# Altium PCB PCB1.PcbDoc (part 1 of 2) (continued)
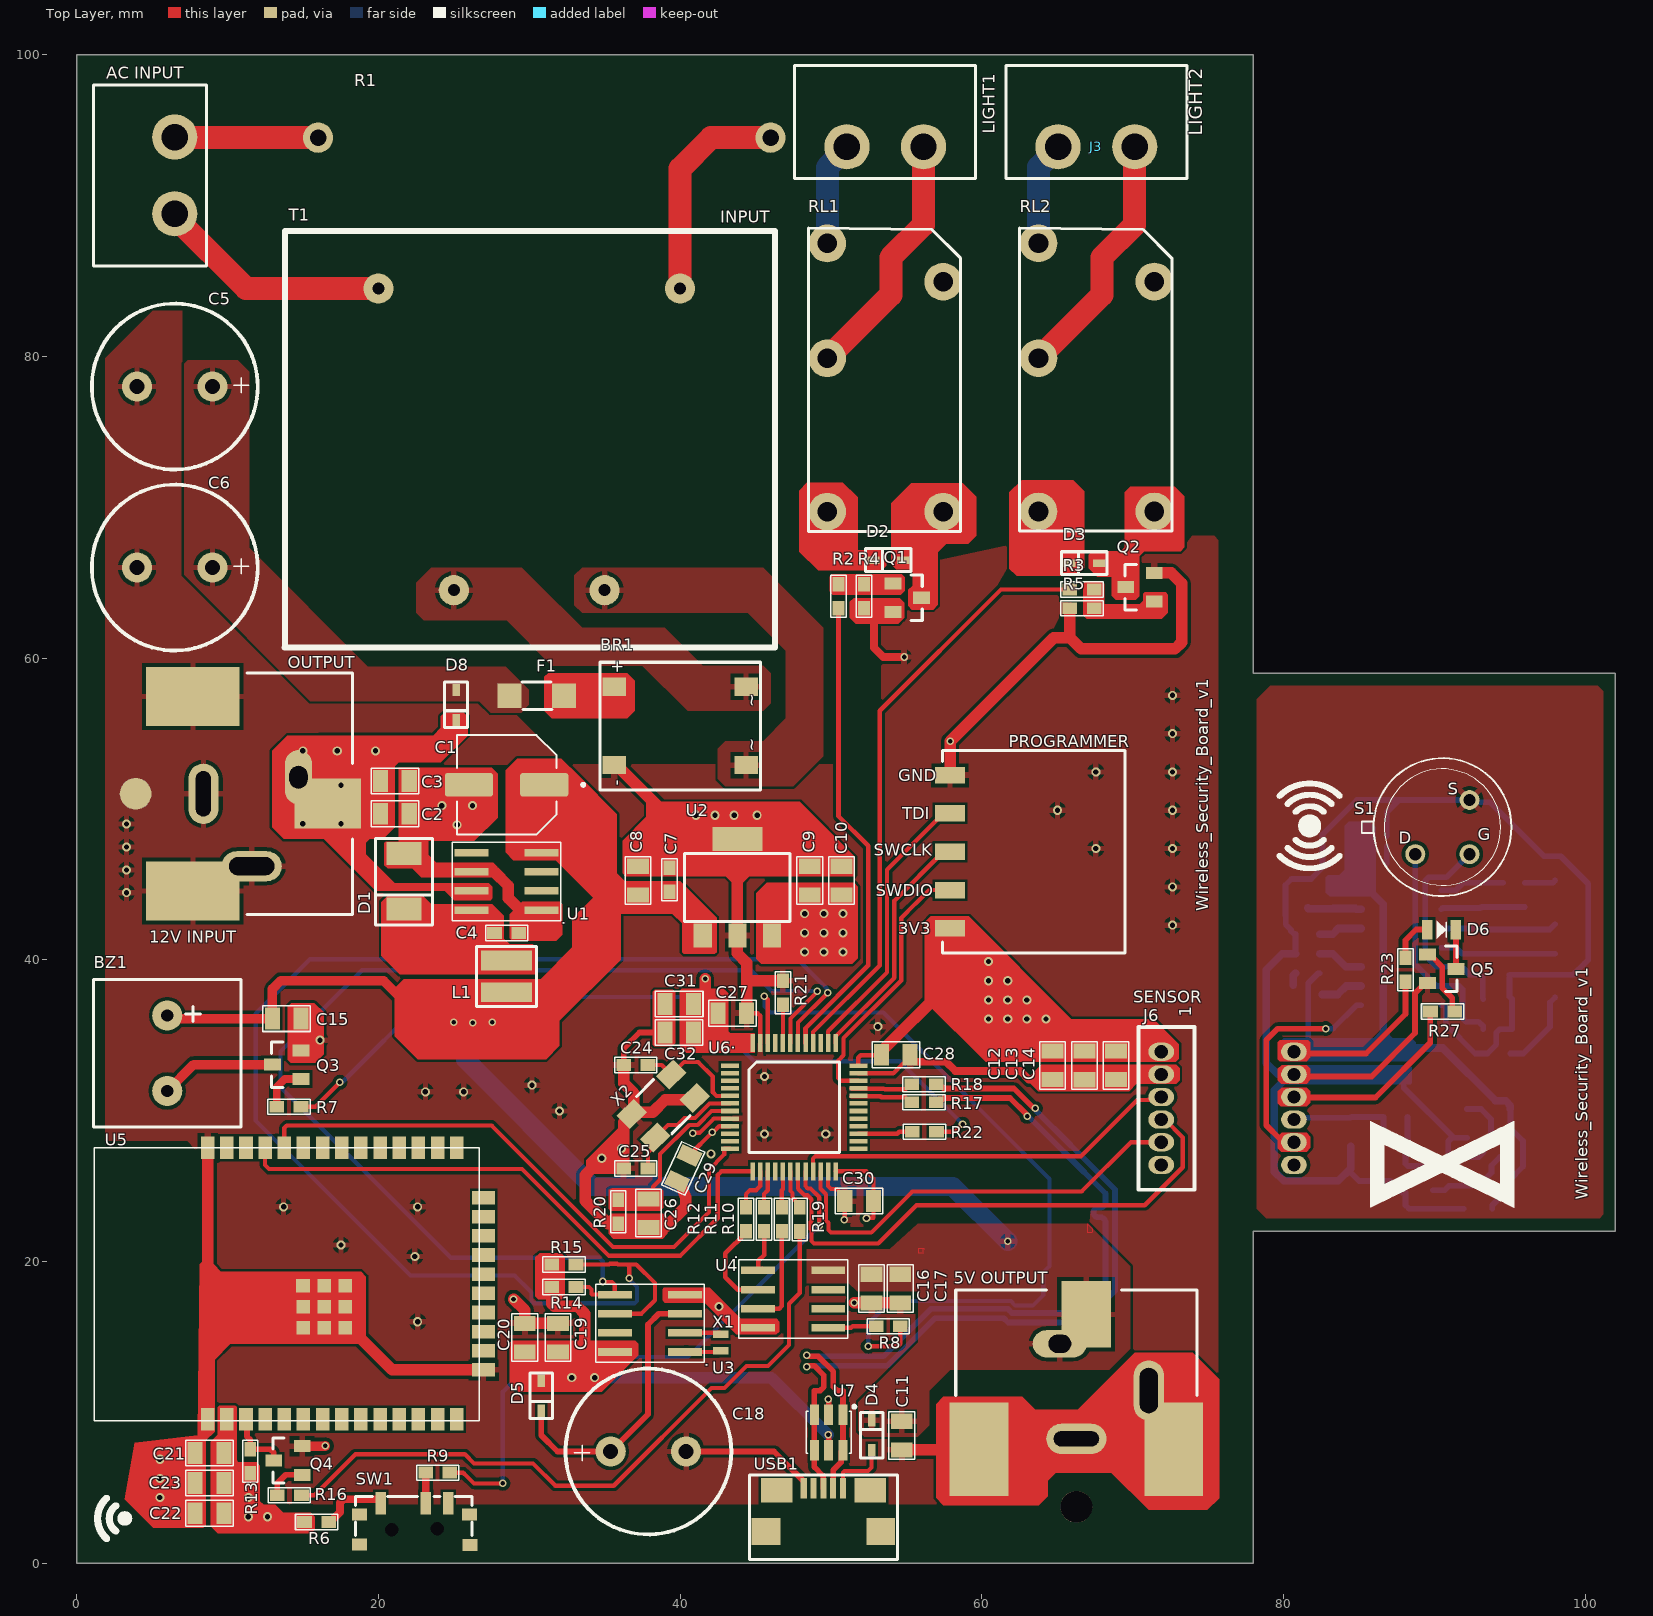
[diagram p0: Top Layer view]
## Classes and differential pairs
component class SensorBoard: C33 C34 C35 C36 C37 C38 C39 C40 C41 C42 C43 C44 C45 C46 C47 D6 D7 J8 Q5 R23 R24 R25 R26 R27 R28 R29 R30 R31 R32 R33 R34 R35 R36 R37 S1 TR1 U8 U9
component class "Power Managment": "5V OUTPUT" "12V INPUT" "AC INPUT" BR1 C1 C2 C3 C4 C5 C6 C7 C8 C9 C10 C11 C12 C13 C14 D1 D2 D3 D4 D8 F1 J3 L1 LIGHT1 Q1 Q2 R1 R2 R3 R4 R5 RL1 RL2 T1 U1 U2 USB1
component class Microcontroller: BZ1 C15 C16 C17 C18 C19 C20 C21 C23 C24 C25 C26 C27 C28 C29 C30 C31 C32 D5 J6 Programmer Q3 Q4 R6 R7 R8 R9 R10 R11 R12 R13 R14 R15 R16 R17 R18 R19 R20 R21 R22 SW1 U3 U4 U5 U6 U7 X1 X2
differential pair MCU: +MCU_P -MCU_N
differential pair USB: +USB_P -USB_N

## Components (designator, comment, footprint, x,y, rotation, side; value= is the part's Value field where it differs from the comment)
"5V OUTPUT" "PJ-037AH-SMT-TR" JACK#1 66.276,10.114 r90 top (schematic designator J5)
"12V INPUT" "PJ-037AH-SMT-TR" JACK#2 10.275,51 r0 top (schematic designator J4)
"AC INPUT" "TBP01R1-508-02BE" TBP01R1-508 6.5,92 r270 top (schematic designator J1)
BR1 "DB105S" DB-S 40.005,55.499 r90 top
BZ1 "CMI-9605IC-0580T" CMI-9605IC-0580T 6,33.8 r0 top
C1 "EEV686M035A9HAA" "EEV 6,3X7,7" 28.498,51.6 r180 top
C2 "CL21B104KBCNNNC" CAP_0805 21.092,49.682 r180 top
C3 "CL21B105KBFNNNE" CAP_0805 21.092,51.841 r180 top
C4 "0603B103K160CT" CAP_0603 28.498,41.77 r180 top
C5 "" CAP_RADIAL_D10_P5 6.5,78 r0 top
C6 "" CAP_RADIAL_D10_P5 6.5,66 r0 top
C7 "C0603C104K5RACTU" CAP_0603 39.3,45.3 r270 top value=100nF
C8 "CL21B105KBFNNNE" CAP_0805 37.2,45.25 r90 top
C9 "CL21A475KAQNNNE" CAP_0805 48.6,45.25 r90 top
C10 "CL21B105KBFNNNE" CAP_0805 50.7,45.25 r90 top
C11 "CL21A475KAQNNNE" CAP_0805 54.7,8.455 r90 top
C12 "CL21A475KAQNNNE" CAP_0805 64.7,33 r90 top
C13 "CL21A475KAQNNNE" CAP_0805 66.802,32.995 r90 top
C14 "CL21B105KBFNNNE" CAP_0805 68.9,33 r90 top
C15 "CL21B104KBCNNNC" CAP_0805 13.919,36.093 r180 top
C16 "CL21B104KBCNNNC" CAP_0805 52.7,18.2 r90 top
C17 "CL21B105KBFNNNE" CAP_0805 54.6,18.2 r90 top
C18 "CAP ALU ELEC 470uF 50V" CAP_RADIAL_D10_P5 37.9,7.4 r180 top
C19 "CL21B104KBCNNNC" CAP_0805 31.9,14.945 r270 top
C20 "CL21B105KBFNNNE" CAP_0805 29.7,14.945 r270 top
C21 "CL21B104KBCNNNC" CAP_0805 8.8,7.3 r0 top
C22 "CL21A475KAQNNNE" CAP_0805 8.8,3.302 r0 top
C23 "CL21B105KBFNNNE" CAP_0805 8.8,5.3 r0 top
C24 "CL10C200JB8NNNC" CAP_0603 37.071,33.022 r0 top
C25 "CL10C200JB8NNNC" CAP_0603 37.071,26.162 r0 top
C26 "CL21B104KBCNNNC" CAP_0805 37.897,23.2 r90 top
C27 "CL21B104KBCNNNC" CAP_0805 43.459,36.449 r180 top
C28 "CL21B104KBCNNNC" CAP_0805 54.305,33.706 r180 top
C29 "CL21B104KBCNNNC" CAP_0805 40.208,26.162 r65 top
C30 "CL21B104KBCNNNC" CAP_0805 51.867,24.003 r0 top
C31 "CL21A475KAQNNNE" CAP_0805 39.944,37.078 r0 top
C32 "CL21B105KBFNNNE" CAP_0805 39.941,35.179 r0 top
C33 "CL21B104KBCNNNC" CAP_0805 92.9,23.5 r0 bottom
C34 "CL21B104KBCNNNC" CAP_0805 84.455,28.575 r90 bottom
C35 "CL21A475KAQNNNE" CAP_0805 88.1,25.519 r90 bottom
C36 "CL21B104KBCNNNC" CAP_0805 85.9,48.2 r180 bottom
C37 "CL21B105KBFNNNE" CAP_0805 85.9,46.4 r180 bottom
C38 "CL21A475KAQNNNE" CAP_0805 87.7,33.2 r90 bottom
C39 "CL21A475KAQNNNE" CAP_0805 85.547,33.198 r90 bottom
C40 "CL21B105KBFNNNE" CAP_0805 83.4,33.2 r90 bottom
C41 "0603B103K160CT" CAP_0603 93.133,44.3 r90 bottom
C42 "C3216X5R1E336M160AC" CAP_1206 98,43.8 r90 bottom
C43 "0603B103K160CT" CAP_0603 93.133,41.2 r90 bottom
C44 "CL21B104KBCNNNC" CAP_0805 81.6,44.4 r270 bottom
C45 "C3216X5R1E336M160AC" CAP_1206 98,38.95 r90 bottom
C46 "CL21B104KBCNNNC" CAP_0805 94.2,35.4 r180 bottom
C47 "CL21B104KBCNNNC" CAP_0805 94.2,37.4 r180 bottom
D1 "1SMB5919BT3G" DO-214AA/SMB 21.698,45.2 r90 top
D2 "1N4148WS" SOD-323F 53.8,66.5 r0 top
D3 "1N4148WS" SOD-323F 66.8,66.3 r0 top
D4 "1N4148WS" SOD-323F 52.7,8.48 r270 top
D5 "1N4148WS" SOD-323F 30.8,11.1 r90 top
D6 "LH R974-LP-1" LED_RED_0805 90.48,42 r180 top
D7 "LTST-C171GKT" LED_GREEN_0805 81.62,37.7 r180 bottom
D8 "1N4148WS" SOD-323F 25.146,56.896 r90 top
F1 "Fuse" 3413.0216.22 30.5,57.5 r180 top
J3 "TBP01R1-508-02BE" TBP01R1-508 67.6,93.9 r180 top
J6 "64800611622" 64800611622 71.9,29.45 r270 top
J8 "64800611622" 64800611622 80.7,29.45 r270 bottom
L1 "78438335470" "INDUCTOR 78438335470" 28.498,38.9 r270 top
LIGHT1 "TBP01R1-508-02BE" TBP01R1-508 53.6,93.9 r180 top (schematic designator J2)
PROGRAMMER "SMH-105-02-L-S" PINHEADER1X5_RA 57.9,47.16 r90 top (schematic designator J7)
Q1 "MMBT3904-7-F" SOT23-F 55.055,64 r270 top
Q2 "MMBT3904-7-F" SOT23-F 70.495,64.7 r90 top
Q3 "MMBT3904-7-F" SOT23-F 13.924,33.045 r90 top
Q4 "MMBT3904-7-F" SOT23-F 14,6.8 r90 top
Q5 "MMBT3904-7-F" SOT23-F 90.5,39.4 r270 top
R1 "5WD27" RES_AXIAL_W 31,94.5 r0 top
R2 "RC0603FR-0710KL" RES_0603 50.5,64.1 r90 top
R3 "RC0603FR-0710KL" RES_0603 66.647,64.551 r0 top
R4 "RC0603FR-0710KL" RES_0603 52.2,64.1 r90 top
R5 "RC0603FR-0710KL" RES_0603 66.647,63.3 r0 top
R6 "RC0603JR-07100RL" RES_0603 15.9,2.718 r0 top
R7 "RC0603JR-07100RL" RES_0603 14.069,30.251 r180 top
R8 "RC0603JR-07100RL" RES_0603 53.8,15.7 r180 top
R9 "RC0603JR-07100RL" RES_0603 23.943,5.994 r180 top
R10 "RC0603JR-07100RL" RES_0603 44.374,22.796 r90 top
R11 "RC0603JR-07100RL" RES_0603 45.568,22.806 r90 top
R12 "RC0603JR-07100RL" RES_0603 46.746,22.796 r90 top
R13 "RC0603FR-0710KL" RES_0603 11.506,6.753 r90 top
R14 "RC0603JR-074K7L" RES_0603 32.3,18.3 r180 top
R15 "RC0603JR-074K7L" RES_0603 32.3,19.8 r180 top
R16 "RC0603JR-07100RL" RES_0603 14.1,4.5 r180 top
R17 "RC0603JR-0715RL" RES_0603 56.172,30.55 r0 top
R18 "RC0603JR-0715RL" RES_0603 56.172,31.75 r0 top
R19 "RC0603JR-07100RL" RES_0603 47.93,22.784 r90 top
R20 "RC0603JR-07100RL" RES_0603 35.9,23.3 r90 top
R21 "RC0603JR-07100RL" RES_0603 46.816,37.808 r270 top
R22 "RC0603JR-07100RL" RES_0603 56.2,28.6 r180 top
R23 "RC0603JR-07100RL" RES_0603 88.087,39.345 r270 top
R24 "RC0603JR-07220KL" RES_0603 87.427,28.1 r180 bottom
R25 "RC0603JR-07220KL" RES_0603 87.427,29.581 r180 bottom
R26 "RC0603FR-0710KL" RES_0603 92.964,28.194 r0 bottom
R27 "RC0603FR-0710KL" RES_0603 90.551,36.576 r0 top
R28 "RC0603JR-07560KL" RES_0603 94.564,44.3 r90 bottom
R29 "RC0603FR-0710KL" RES_0603 96,44.3 r270 bottom
R30 "RC0603JR-07220KL" RES_0603 83.3,44.2 r90 bottom
R31 "RC0603FR-0710KL" RES_0603 81.6,39.1 r0 bottom
R32 "RC0603JR-07560KL" RES_0603 94.5,41.2 r270 bottom
R33 "RC0603JR-070RL" RES_0603 81.6,41.7 r0 bottom
R34 "RC0603JR-070RL" RES_0603 81.6,40.4 r0 bottom
R35 "RC0603FR-0710KL" RES_0603 94.234,33.782 r0 bottom
R36 "RC0603JR-0743KL" RES_0603 94.022,39 r180 bottom
R37 "RC0603FR-0710KL" RES_0603 89.916,25.527 r90 bottom
RL1 "ALQ112" ALQ112 53.6,78.6 r90 top
RL2 "ALQ112" ALQ112 67.6,78.61 r90 top
S1 "LHI 878/3902" LHI878 90.5,48.778 r0 top
SW1 "EG1215AA" EG1215AA 22.403,2.591 r0 top
T1 "BV302S12010-ZU" BV302S12010 30,74.5 r180 top
TR1 "TFPT1206L1002FM" RES_1206 93.599,30.099 r0 bottom value=10kR
U1 "LM2675MX-12/NOPB" SOIC-8 28.498,45.2 r90 top
U2 "AP7361-33E-13" SOT223 43.8,44.8 r0 top
U3 "M41T00M6F" SOIC-8 38,15.9 r90 top
U4 "MAX6662" SOIC-8 47.5,17.5 r270 top
U5 "ESP32-WROOM-32E(4MB)" ESP32WROOM32D/E 17.825,18.525 r90 top
U6 "STM32F103C6T6A" LQFP-48 47.566,30.222 r270 top
U7 "USBLC6-2SC6" SOT23-6L 49.85,8.668 r270 top
U8 "OPA314AIDBVR" SOT23-5 93.315,25.974 r0 bottom
U9 "NCS36000DRG" SOIC14 87.8,40.8 r180 bottom
USB1 "10118192-0001LF" MICRO_B_USB 49.5,4.95 r0 top
X1 "ABS05-32.768KHZ-T" ABS05 42.697,14.63 r270 top
X2 "ECS-160-20-30B-TR" ECS 38.887,30.302 r45 top

## Footprints (in the part's own frame and the unit in brackets; to place one, negate y for a bottom-side part, rotate by r counter-clockwise, add the part's x,y. Pads: shape width x height; smd on the part's side, far side on the other; paste and mask are expansions set on the pad)
3413.0216.22 [mm]
  rect 1.6x1.6 smd paste-2539.97 mask+0.05: 1(-1.8,0) 2(1.8,0)
  silkscreen extent -1,-0.9 0.97,0.9, body extent -1.6,-0.8 1.6,0.8, height 0.61
64800611622 [mm]
  oval 1.2x1.7 hole 0.87 mask+0.05: 1(-4.45,0) 2(-2.95,0) 3(-1.45,0) 4(0.05,0) 5(1.55,0) 6(3.05,0)
  silkscreen extent -6.1,-1.5 4.7,2.2, body extent -5.95,-1.4 4.55,2.1, height 4.75
ABS05 [mm]
  rect 0.5x1 smd mask+0.05: 1(-0.55,0) 2(0.55,0)
  body extent -0.8,-0.5 0.8,0.5, height 0.5
ALQ112 [mm] "sonra bir kez daha bakılabilir"
  round 2.5 hole 1.3 paste-2539.97 mask+0.05: 1(6.35,-3.84) 2(1.27,3.84) 3(8.89,3.84) 4(-8.89,-3.84) 5(-8.89,3.84)
  silkscreen extent -10.2,-5 9.9,5.1, body extent -10.18,-4.98 9.82,5.02, height 15.6
BV302S12010 [mm]
  round 2 hole 0.8 paste-2539.97 mask+0.05: 1(-10,-10) 5(10,-10) 7(-5,10) 9(5,10)
  silkscreen extent -16.3,-13.8 16.21,13.8, body extent -16.25,-13.75 16.25,13.75, height 21.8
CAP_0603 [mil]
  rect 38x31 smd paste-99999 mask+1.97: 1(-31.5,0) 2(31.5,0)
  silkscreen extent -55,-20 55,20, body extent -41,-21 41,20, height 31
CAP_0805 [mm]
  rect 1x1.45 smd paste-2539.97 mask+0.05: 1(-0.95,0) 2(0.95,0)
  silkscreen extent -1.58,-0.85 1.58,0.85, body extent -1.3,-0.68 1.3,0.68, height 0.9
CAP_1206 [mm]
  rect 1.15x1.8 smd paste-2539.97 mask+0.05: 1(-1.45,0) 2(1.45,0)
  silkscreen extent -2.1,-1 2.1,1, body extent -1.97,-0.98 1.97,0.98, height 1.3
CAP_RADIAL_D10_P5 [mm]
  round 2 hole 1 paste-2539.97 mask+0.05: 1(2.5,0) 2(-2.5,0)
  silkscreen extent -5.5,-5.5 5.5,5.5, body extent -5.27,-5.24 5.25,5.24, height 22.01
CMI-9605IC-0580T [mm]
  round 2 hole 0.8 paste-2539.97 mask+0.05: 1(0,2.5) 2(0,-2.5)
  silkscreen extent -4.9,-4.9 4.9,4.9, body extent -4.8,-4.8 4.8,4.8, height 5.1
DB-S [mm]
  rect 1.2x1.55 smd paste-2539.97 mask+0.05: 1(-2.6,-4.37) 2(2.6,-4.37) 3(2.6,4.37) 4(-2.6,4.37)
  silkscreen extent -4.25,-5.33 4.23,5.33, body extent -4.08,-4.95 4.08,4.95, height 2.7
DO-214AA/SMB [mm] "DO-214AA/SMB"
  rect 1.52x2.3 smd paste-2539.97 mask+0.05: 1(-1.839,0) 2(1.84,0)
  silkscreen extent -2.9,-1.9 2.85,1.9, body extent -2.72,-1.78 2.72,1.78, height 2.39
ECS [mm]
  rect 1.6x1.25 smd mask+0.05: 1(-1.85,-1.1) 2(1.85,-1.1) 3(1.85,1.1) 4(-1.85,1.1)
  silkscreen extent -0.9,-1.7 0.8,1.7, body extent -2.5,-1.6 2.5,1.6, height 0.85
"EEV 6,3X7,7" [mm]
  rrect25% 3.2x1.58 smd: 1(-2.495,0) 2(2.495,0)
  silkscreen extent -5.18,-3.3 3.3,3.3, body extent -3.8,-3.4 3.8,3.4, height 7.71
EG1215AA [mm]
  rect 1x0.8 smd paste-2539.97 mask+0.05: 0(-3.66,-1.371) 0(-3.66,0.629) 0(3.64,0.629) 0(3.66,-1.379)
  rect 0.7x1.5 smd paste-2539.97 mask+0.05: 1(-2.26,1.379) 2(0.74,1.379) 3(2.24,1.379)
  rect 0x0 hole 0.9 paste-2539.97 mask+0.05: ""(-1.51,-0.371) ""(1.49,-0.325)
  silkscreen extent -3.91,-0.77 3.79,1.83, body extent -3.86,-3.07 3.84,1.83, height 1.35
ESP32WROOM32D/E [mm] "adam bence alt pinleri yanlış çizdi ben doğru çizdim bi bakmakta fayda var / pin39 aralında thler var bak ona"
  rect 1.5x0.9 smd paste-2539.97 mask+0.05: 1(-9,9.145) 2(-9,7.875) 3(-9,6.605) 4(-9,5.335) 5(-9,4.065) 6(-9,2.795) 7(-9,1.525) 8(-9,0.255) 9(-9,-1.015) 10(-9,-2.285) 11(-9,-3.555) 12(-9,-4.825) 13(-9,-6.095) 14(-9,-7.365) 25(9,-7.365) 26(9,-6.095) 27(9,-4.825) 28(9,-3.555) 29(9,-2.285) 30(9,-1.015) 31(9,0.255) 32(9,1.525) 33(9,2.795) 34(9,4.065) 35(9,5.335) 36(9,6.605) 37(9,7.875) 38(9,9.145)
  rect 0.9x1.5 smd paste-2539.97 mask+0.05: 15(-5.72,-9.145) 16(-4.45,-9.145) 17(-3.18,-9.145) 18(-1.91,-9.145) 19(-0.64,-9.145) 20(0.63,-9.145) 21(1.9,-9.145) 22(3.17,-9.145) 23(4.44,-9.145) 24(5.71,-9.145)
  rect 0.9x0.9 smd paste-2539.97 mask+0.05: 39(-2.925,0.02) 39(-2.925,1.42) 39(-2.925,2.82) 39(-1.525,2.82) 39(-1.525,0.025) 39(-1.525,1.425) 39(-0.125,2.825) 39(-0.125,1.425) 39(-0.125,0.025)
  silkscreen extent -9.08,-8.87 9.03,16.68, body extent -9.04,-8.87 8.99,16.64, height 3.15
"INDUCTOR 78438335470" [mm] "78438335470"
  rect 1.3x3.4 smd paste-2539.97 mask+0.05: 1(-1.05,0) 2(1.05,0)
  silkscreen extent -1.99,-1.98 1.99,1.97, body extent -1.5,-1.5 1.5,1.5, height 1.2
JACK#1 [mm]
  oval 1.8x3.6 hole 1.2 slot 1.5 at 90 deg: 1(4.425,1.1)
  rect 4.4x3.3 smd: 1(6.375,-0.65)
  rect 6.2x3.9 smd: 2(-2.575,6.45) 3(-2.575,-6.45)
  oval 2x4 hole 1 slot 3 at 90 deg: 2(-1.875,0)
  oval 4x2 hole 1.2 slot 3 at 0 deg: 3(1.325,-4.8)
  round 2.1 hole 2.1 unplated: ""(-6.375,0)
  silkscreen extent 1,-8 8,8, body extent -9.48,-7.75 7.62,7.45, height 11.1
JACK#2 [mm]
  oval 1.8x3.6 hole 1.2 slot 1.5 at 90 deg: 1(4.425,1.1)
  rect 4.4x3.3 smd: 1(6.375,-0.65)
  rect 6.2x3.9 smd: 2(-2.575,6.45) 3(-2.575,-6.45)
  oval 2x4 hole 1 slot 3 at 90 deg: 2(-1.875,0)
  oval 4x2 hole 1.2 slot 3 at 0 deg: 3(1.325,-4.8)
  round 2.1 all layers, no hole: ""(-6.375,0)
  silkscreen extent 1,-8 8,8, body extent -9.48,-7.75 7.62,7.45, height 11.1
LED_GREEN_0805 [mm]
  rect 0.7x1.3 smd mask+0.05: 1(-0.95,0) 2(0.95,0)
  silkscreen extent -0.3,-0.6 0.3,0.6, body extent -1.01,-0.63 1.01,0.62, height 1.1
LED_RED_0805 [mm]
  rect 0.7x1.3 smd mask+0.05: 1(-0.95,0) 2(0.95,0)
  silkscreen extent -0.3,-0.6 0.3,0.6, body extent -1.01,-0.63 1.01,0.62, height 1.1
LHI878 [mil]
  round 52 hole 32: 1(-69.02,-70) 2(72.41,-70) 3(72.41,71.42)
  silkscreen extent -209,-179 182,181, body extent -197,-181 182,181, height 169
LQFP-48 [mm] "7mmx7mm"
  rect 0.3x1.2 smd paste-2539.97 mask+0.05: 1(-2.75,-4.25) 2(-2.25,-4.25) 3(-1.75,-4.25) 4(-1.25,-4.25) 5(-0.75,-4.25) 6(-0.25,-4.25) 7(0.25,-4.25) 8(0.75,-4.25) 9(1.25,-4.25) 10(1.75,-4.25) 11(2.25,-4.25) 12(2.75,-4.25) 25(2.75,4.25) 26(2.25,4.25) 27(1.75,4.25) 28(1.25,4.25) 29(0.75,4.25) 30(0.25,4.25) 31(-0.25,4.25) 32(-0.75,4.25) 33(-1.25,4.25) 34(-1.75,4.25) 35(-2.25,4.25) 36(-2.75,4.25)
  rect 1.2x0.3 smd paste-2539.97 mask+0.05: 13(4.25,-2.75) 14(4.25,-2.25) 15(4.25,-1.75) 16(4.25,-1.25) 17(4.25,-0.75) 18(4.25,-0.25) 19(4.25,0.25) 20(4.25,0.75) 21(4.25,1.25) 22(4.25,1.75) 23(4.25,2.25) 24(4.25,2.75) 37(-4.25,2.75) 38(-4.25,2.25) 39(-4.25,1.75) 40(-4.25,1.25) 41(-4.25,0.75) 42(-4.25,0.25) 43(-4.25,-0.25) 44(-4.25,-0.75) 45(-4.25,-1.25) 46(-4.25,-1.75) 47(-4.25,-2.25) 48(-4.25,-2.75)
  silkscreen extent -3,-3 3,3, body extent -4.5,-4.5 4.5,4.5, height 1.6
MICRO_B_USB [mm]
  rect 0.4x1.35 smd mask+0.05: 1(1.3,0) 2(0.65,0) 3(0,0) 4(-0.65,0) 5(-1.3,0)
  rect 1.9x1.8 smd mask+0.05: ""(-3.8,-2.85) ""(3.8,-2.85)
  rect 2.1x1.6 smd mask+0.05: ""(-3.1,-0.122) ""(3.1,-0.122)
  silkscreen extent -4.9,-4.7 4.9,0.9, body extent -3.96,-5.46 3.96,0.2, height 2.79
PINHEADER1X5_RA [mm]
  rect 1.1x2 smd mask+0.05: 1(-5.08,0) 2(-2.54,0) 3(0,0) 4(2.54,0) 5(5.08,0)
  silkscreen extent -6.7,-11.6 6.7,0.5, body extent -6.6,-11.51 6.6,0.43, height 2.41
RES_0603 [mil]
  rect 38x31 smd paste-99999 mask+1.97: 1(-31.5,0) 2(31.5,0)
  silkscreen extent -55,-20 55,20, body extent -39,-20 39,19, height 18
RES_1206 [mm]
  rect 1.15x1.8 smd paste-2539.97 mask+0.05: 1(-1.45,0) 2(1.45,0)
  silkscreen extent -2.1,-1 2.1,1, body extent -1.98,-0.94 1.98,0.94, height 0.55
RES_AXIAL_W [mm]
  round 2 hole 1.1 mask+0.05: 1(-15,0) 2(15,0)
  body extent -15.4,-4.83 15.4,4.83, height 9.65
SOD-323F [mm]
  rect 0.81x0.5 smd paste-2539.97 mask+0.05: 1(-0.995,0) 2(0.995,0)
  silkscreen extent -1.5,-0.75 1.51,0.75, body extent -1.25,-0.67 1.25,0.67, height 1
SOIC14 [mm]
  rect 1.18x0.58 smd mask+0.05: 1(-2.66,3.81) 2(-2.66,2.54) 3(-2.66,1.27) 4(-2.66,0) 5(-2.66,-1.27) 6(-2.66,-2.54) 7(-2.66,-3.81) 8(2.66,-3.81) 9(2.66,-2.54) 10(2.66,-1.27) 11(2.66,0) 12(2.66,1.27) 13(2.66,2.54) 14(2.66,3.81)
  silkscreen extent -1.8,-4.5 1.8,4.4, body extent -3,-4.4 3,4.4, height 1.7
SOIC-8 [mm]
  rect 0.5x2.25 smd paste-2539.97 mask+0.05: 1(-1.905,-2.325) 2(-0.635,-2.325) 3(0.635,-2.325) 4(1.905,-2.325) 5(1.905,2.325) 6(0.635,2.325) 7(-0.635,2.325) 8(-1.905,2.325)
  silkscreen extent -2.6,-3.6 2.6,3.6, body extent -2.45,-3 2.45,3, height 1.7
SOT23-5 [mm]
  rect 1.1x0.6 smd mask+0.05: 1(-1.3,0.95) 2(-1.3,0) 3(-1.3,-0.95) 4(1.3,-0.95) 5(1.3,0.95)
  silkscreen extent -0.6,-1.4 0.6,1.4, body extent -1.4,-1.45 1.4,1.45, height 1.45
SOT23-6L [mm]
  rect 1.36x0.6 smd mask+0.05: 1(-1.175,0.95) 2(-1.175,0) 3(-1.175,-0.95) 4(1.175,-0.95) 5(1.175,0) 6(1.175,0.95)
  silkscreen extent -1.8,-1.5 1.4,1.8, body extent -1.4,-1.46 1.4,1.46, height 1.45
SOT23-F [mm]
  rect 0.8x1.11 smd paste-2539.97 mask+0.05: 1(-0.95,-0.945) 2(0.95,-0.945) 3(0,0.945)
  silkscreen extent -1.5,0.25 1.5,1, body extent -1.5,-1.42 1.5,1.42, height 1.2
SOT223 [mm]
  rect 1.2x1.6 smd paste-2539.97 mask+0.05: 1(-2.3,-3.2) 2(0,-3.2) 3(2.3,-3.2)
  rect 3.3x1.6 smd paste-2539.97 mask+0.05: 2(0,3.2)
  silkscreen extent -3.5,-2.25 3.5,2.25, body extent -3.25,-3.5 3.25,3.5, height 1.75
TBP01R1-508 [mm]
  round 3 hole 1.75 mask+0.05: 1(-2.54,0) 2(2.54,0)
  silkscreen extent -6,-5.4 6,2.1, body extent -5.88,-10 5.88,2, height 8.55

## Part data
"5V OUTPUT" "12V INPUT": "DC Power Connectors Power Jacks", Case/Package=SMD/SMT, Color=Black, Current Rating=5A, Flammability Rating="UL94 V-0", Manufacturer=CUI, Max Operating Temperature=85°C, Min Operating Temperature=-25°C, Package Quantity=200, Supplier Part Number 1=CP-037AHPJCT-ND, Voltage Rating=24V, Insulation Resistance=100MR, Category=Connectors, ComponentLink1Description=http://www.mouser.com/ds/2/670/pj-037ah-smt-516065.pdf?src-supplier=Mouser, ComponentLink1URL=http://www.mouser.com/ds/2/670/pj-037ah-smt-516065.pdf?src-supplier=Mouser, ComponentLink2Description=https://www.cui.com/product/resource/digikeypdf/pj-037ah-smt-tr.pdf?src-supplier=Digi-Key, ComponentLink2URL=https://www.cui.com/product/resource/digikeypdf/pj-037ah-smt-tr.pdf?src-supplier=Digi-Key, ComponentLink3Description=http://www.cui.com/product/resource/digikeypdf/pj-037ah-smt.pdf?src-supplier=Digi-Key, ComponentLink3URL=http://www.cui.com/product/resource/digikeypdf/pj-037ah-smt.pdf?src-supplier=Digi-Key, Connector Type=Jack, Contact Gender=Male, Contact Material=Copper, Contact Plating=Nickel, Designed by=BERK, Gender=Male, Housing Color=Black, Housing Material=Thermoplastic, Manufacturer Part Number=PJ-037AH-SMT-TR, Mount="Surface Mount,Through Hole", Number of Conductors=2, Orientation=Horizontal, Packaging="Tape and Reel", Pricing 1="1=1,36000, 10=1,19300, 25=1,12320, 50=1,07640, 100=1,02960 (USD)", RoHS=Yes, Shielding=Unshielded, Stock 1=4972, Supplier 1=Digi-Key, Termination=Solder
"AC INPUT" J3 LIGHT1: "Conn Shrouded Header HDR 2 POS 5.08mm Solder RA Side Entry Thru-Hole Bag", Manufacturer=CUI, Supplier Part Number 1=102-6406-ND, Designed by=BERK, Manufacturer Part Number=TBP01R1-508-02BE, Pricing 1="1=0,50000, 10=0,26500, 25=0,18760, 50=0,15960, 100=0,15400, 250=0,13020, 500=0,12040, 1000=0,10640, 5000=0,08120 (USD)", RoHS=No, Stock 1=3398, Supplier 1=Digi-Key
BR1: "Bridge Rect 1PHASE 600V 1A Db-s", Manufacturer="Sangdest Microelectronics", Max Current=1A, Operation Voltage=600V, Supplier Part Number=1655-DB105SCT-ND, Category=Uncategorized, Design by="Mert Ali Şentürk", Manufacturer Part Number=DB105S, Pricing="1=0,41, 10=0,29, 100=0,1464, 500=0,12978 (USD)", RoHS=No, Stock=16246, Supplier=Digi-Key
BZ1: "Audio Buzzer Magnetic 3VDC 7VDC 30mA 5VDC 85dB 2600Hz to 2800Hz Through Hole Pin Box", Case/Package=CMI-9605IC, Manufacturer="CUI Devices", Supplier Part Number=2223-CMI-9605IC-0580T-ND, Category="Audio Products", Deesigned by="Mert Ali Şentürl", Manufacturer Part Number=CMI-9605IC-0580T, Pricing="1=1,22, 10=1,014, 25=0,938, 50=0,883, 100=0,8298, 250=0,76976, 500=0,71396, 1000=0,66741, 5000=0,65403 (USD)", RoHS=No, Stock=5910, Supplier=Digi-Key
C1: library part "CAP ALU ELEC 68uF 35V %20", "Cap Aluminum Lytic 68uF 35V 20% (6.3 X 7.7mm) SMD 280mA 2000h 105C T/R"
C2 C15 C16 C19 C21 C26 C27 C28 C29 C30 C33 C34 C36 C44 C46 C47: library part "CAP CER 0805 100nF %10", "CAP CER 100nF %10 0603 SMD", Case Code (Metric)=2012, Case Code (Imperial)=0805, Dielectric=X7R, Manufacturer=Samsung, Max Operating Temperature=125°C, Min Operating Temperature=-55°C, Supplier Part Number 1=1276-1003-1-ND, Tolerance=10%, Voltage=50V, Case/Package=0805, Category="Ceramic Capacitors", ComponentLink1Description=https://datasheet.ciiva.com/25710/cl21b104kbcnnnc-25710182.pdf?src-supplier=Digi-Key, ComponentLink1URL=https://datasheet.ciiva.com/25710/cl21b104kbcnnnc-25710182.pdf?src-supplier=Digi-Key, ComponentLink2Description=https://datasheet.ciiva.com/29199/454152-da-01-en-vs-kondensator-0805-29199814.pdf?src-supplier=Conrad, ComponentLink2URL=https://datasheet.ciiva.com/29199/454152-da-01-en-vs-kondensator-0805-29199814.pdf?src-supplier=Conrad, Construction=Flat, Contact Plating=Tin, Depth=1.25mm, Designed by=BERK, Height=0.85mm, Lead Free="Lead Free", Length=2mm, Manufacturer Part Number=CL21B104KBCNNNC, Material=Ceramic, Mount="Surface Mount", Packaging="Tape and Reel", Pricing 1="1=0,10000, 10=0,04700, 50=0,02560, 100=0,02090, 500=0,01494, 1000=0,01174 (USD)", Radiation Hardening=No, RoHS=Yes, RoHS Compliant=Yes, Series=CL, Stock 1=3371502, Supplier 1=Digi-Key, Thickness=0.037inch, Voltage Rating=50V, Voltage Rating (DC)=50V, Width=0.049inch
C3 C8 C10 C14 C17 C20 C23 C32 C37 C40: library part "CAP CER 0805 1uF %10", "CAP CER 1uF %10 0805", Case Code (Metric)=2012, Case Code (Imperial)=0805, Dielectric=X7R, Manufacturer=Samsung, Max Operating Temperature=125°C, Min Operating Temperature=-55°C, Package Quantity=1, Supplier Part Number 1=1276-1029-2-ND, Tolerance=10%, Voltage=50V, Case/Package=0805, Category="Ceramic Capacitors", ComponentLink1Description=https://datasheet.ciiva.com/25800/cl21b105kbfnnne-25800291.pdf?src-supplier=Digi-Key, ComponentLink1URL=https://datasheet.ciiva.com/25800/cl21b105kbfnnne-25800291.pdf?src-supplier=Digi-Key, ComponentLink2Description=https://datasheet.ciiva.com/16449/cl21b105kbfnnne-16449003.pdf?src-supplier=Future+Electronics, ComponentLink2URL=https://datasheet.ciiva.com/16449/cl21b105kbfnnne-16449003.pdf?src-supplier=Future+Electronics, ComponentLink3Description=https://datasheet.ciiva.com/26838/getdatasheetpartid-354075-26838668.pdf?src-supplier=Verical, ComponentLink3URL=https://datasheet.ciiva.com/26838/getdatasheetpartid-354075-26838668.pdf?src-supplier=Verical, Construction=Flat, Depth=1.25mm, Designed by=BERK, Height=1.25mm, Length=2mm, Manufacturer Part Number=CL21B105KBFNNNE, Mount="Surface Mount", Packaging="Tape and Reel", Pricing 1="2000=0,02138, 4000=0,01956 (USD)", Radiation Hardening=No, RoHS=Yes, RoHS Compliant=Yes, Series=CL, Stock 1=958000, Supplier 1=Digi-Key, Thickness=0.053inch, Voltage Rating=50V, Width=0.049inch
C4 C41 C43: library part "CAP CER 0603 10nF %10", "CAP CER 10nF %10 0603", Case Code (Metric)=1608, Case Code (Imperial)=0603, Dielectric=X7R, Manufacturer="Walsin Technologies", Max Operating Temperature=125°C, Min Operating Temperature=-55°C, Supplier Part Number 1=1292-1384-1-ND, Tolerance=10%, Voltage Rating=16V, Case/Package=0603, Category="Ceramic Capacitors", ComponentLink1Description=http://www.farnell.com/datasheets/1958513.pdf?src-supplier=Farnell, ComponentLink1URL=http://www.farnell.com/datasheets/1958513.pdf?src-supplier=Farnell, ComponentLink2Description=http://components.arrow.com/part/dataview/0323_00656382?src-supplier=Arrow+Europe, ComponentLink2URL=http://components.arrow.com/part/dataview/0323_00656382?src-supplier=Arrow+Europe, ComponentLink3Description=http://www.farnell.com/datasheets/1958513.pdf?src-supplier=Element14, ComponentLink3URL=http://www.farnell.com/datasheets/1958513.pdf?src-supplier=Element14, ComponentLink4Description=http://www.passivecomponent.com/wp-content/uploads/2018/10/MLCC.pdf?src-supplier=Digi-Key, ComponentLink4URL=http://www.passivecomponent.com/wp-content/uploads/2018/10/MLCC.pdf?src-supplier=Digi-Key, Depth=0.8mm, Designed by=BERK, Length=1.6mm, Manufacturer Part Number=0603B103K160CT, Packaging="Tape and Reel", Pricing 1="1=0,10000, 10=0,03600, 50=0,01940, 100=0,01590, 500=0,01136, 1000=0,00892 (USD)", REACH SVHC=Unknown, RoHS=Yes, RoHS Compliant=Yes, Stock 1=102474, Supplier 1=Digi-Key, Voltage Rating (DC)=16V